# Altium PCB PCB.PcbDoc
Units mm, origin at the board's own origin, x right, y up, seen from the top; angles counter-clockwise.
Board outline 41 x 41 mm, 4 copper layers (Top Layer, Layer 1, Layer 2, Bottom Layer), stack 1.586 mm thick; 64 components, 40 nets, 213 pads, 251 vias.
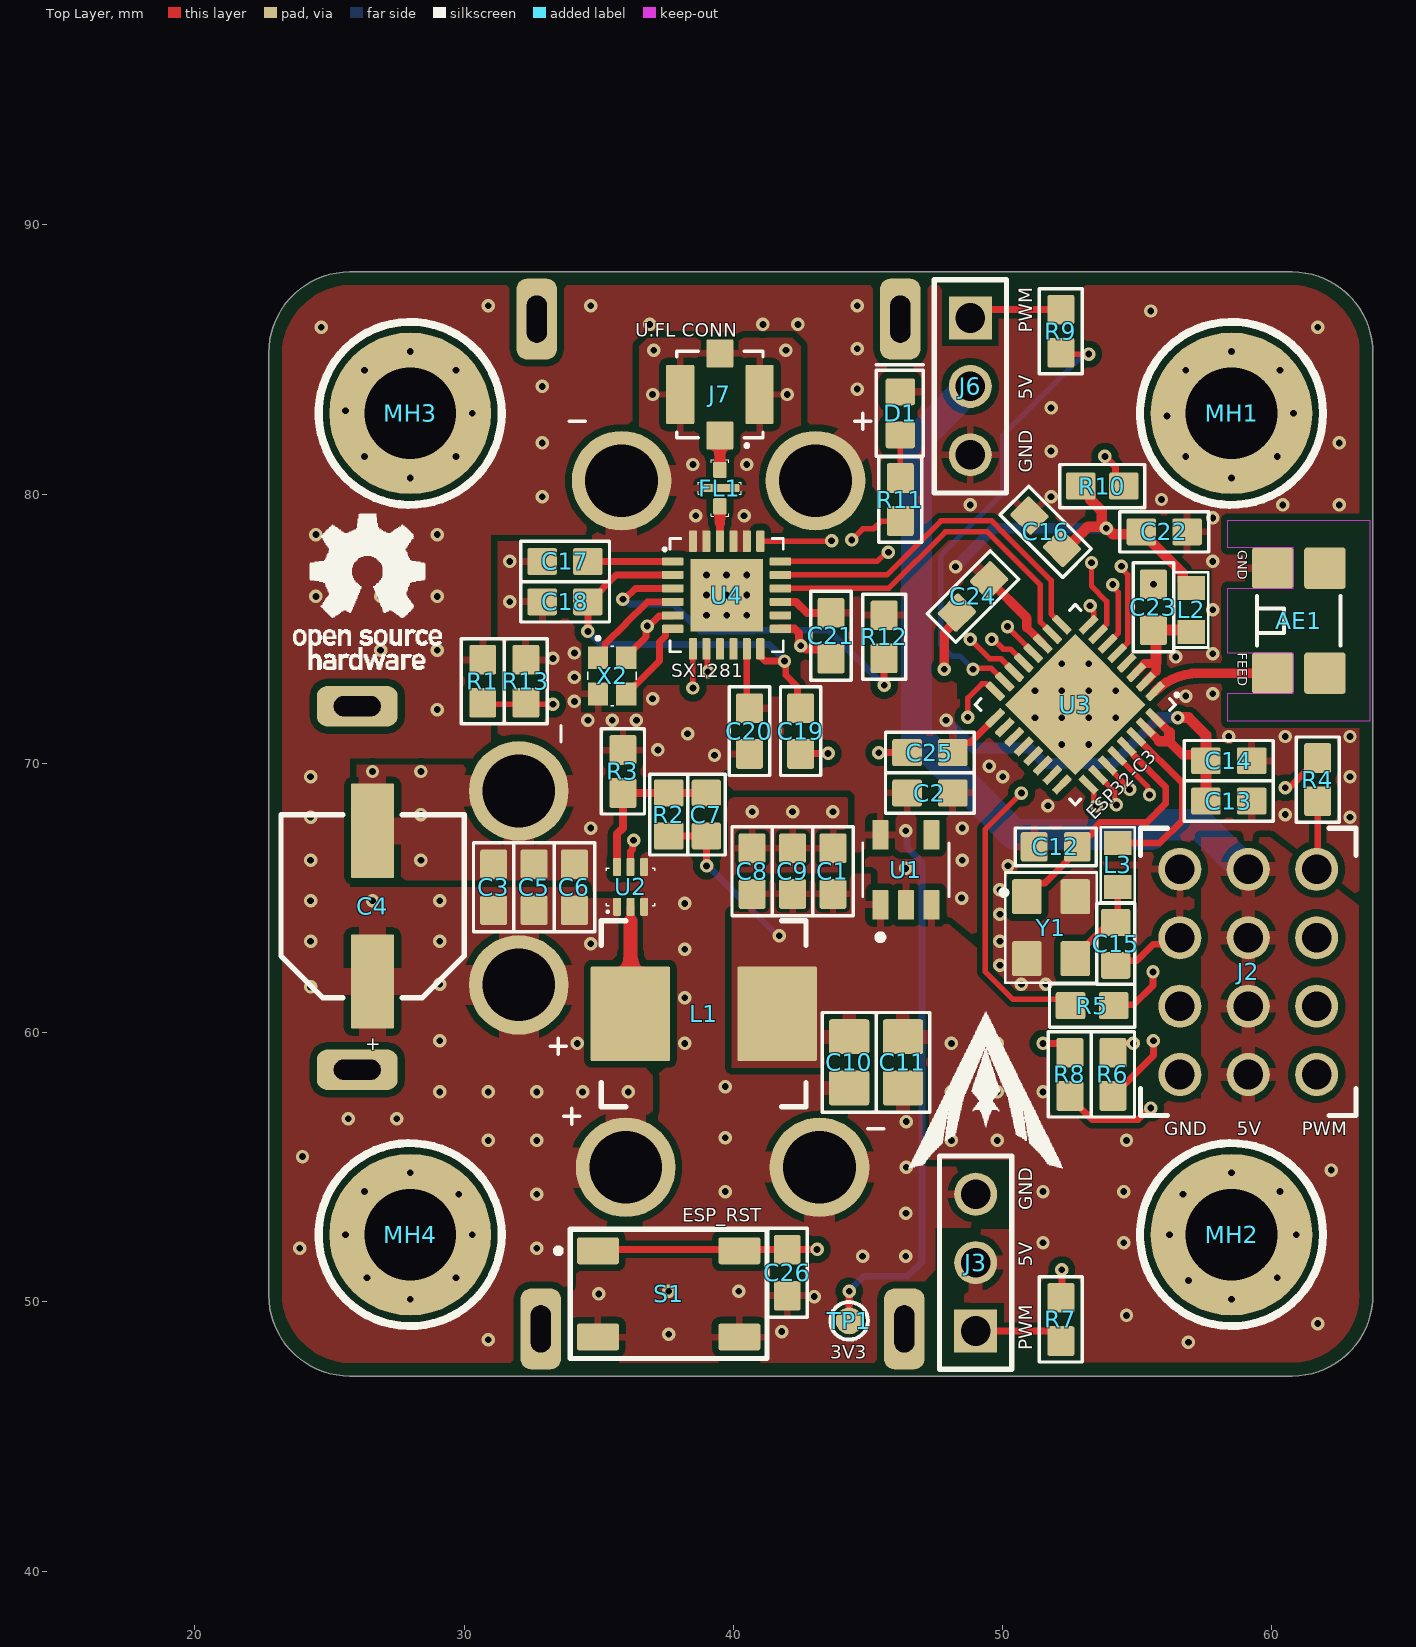
[diagram p0: Top Layer view]
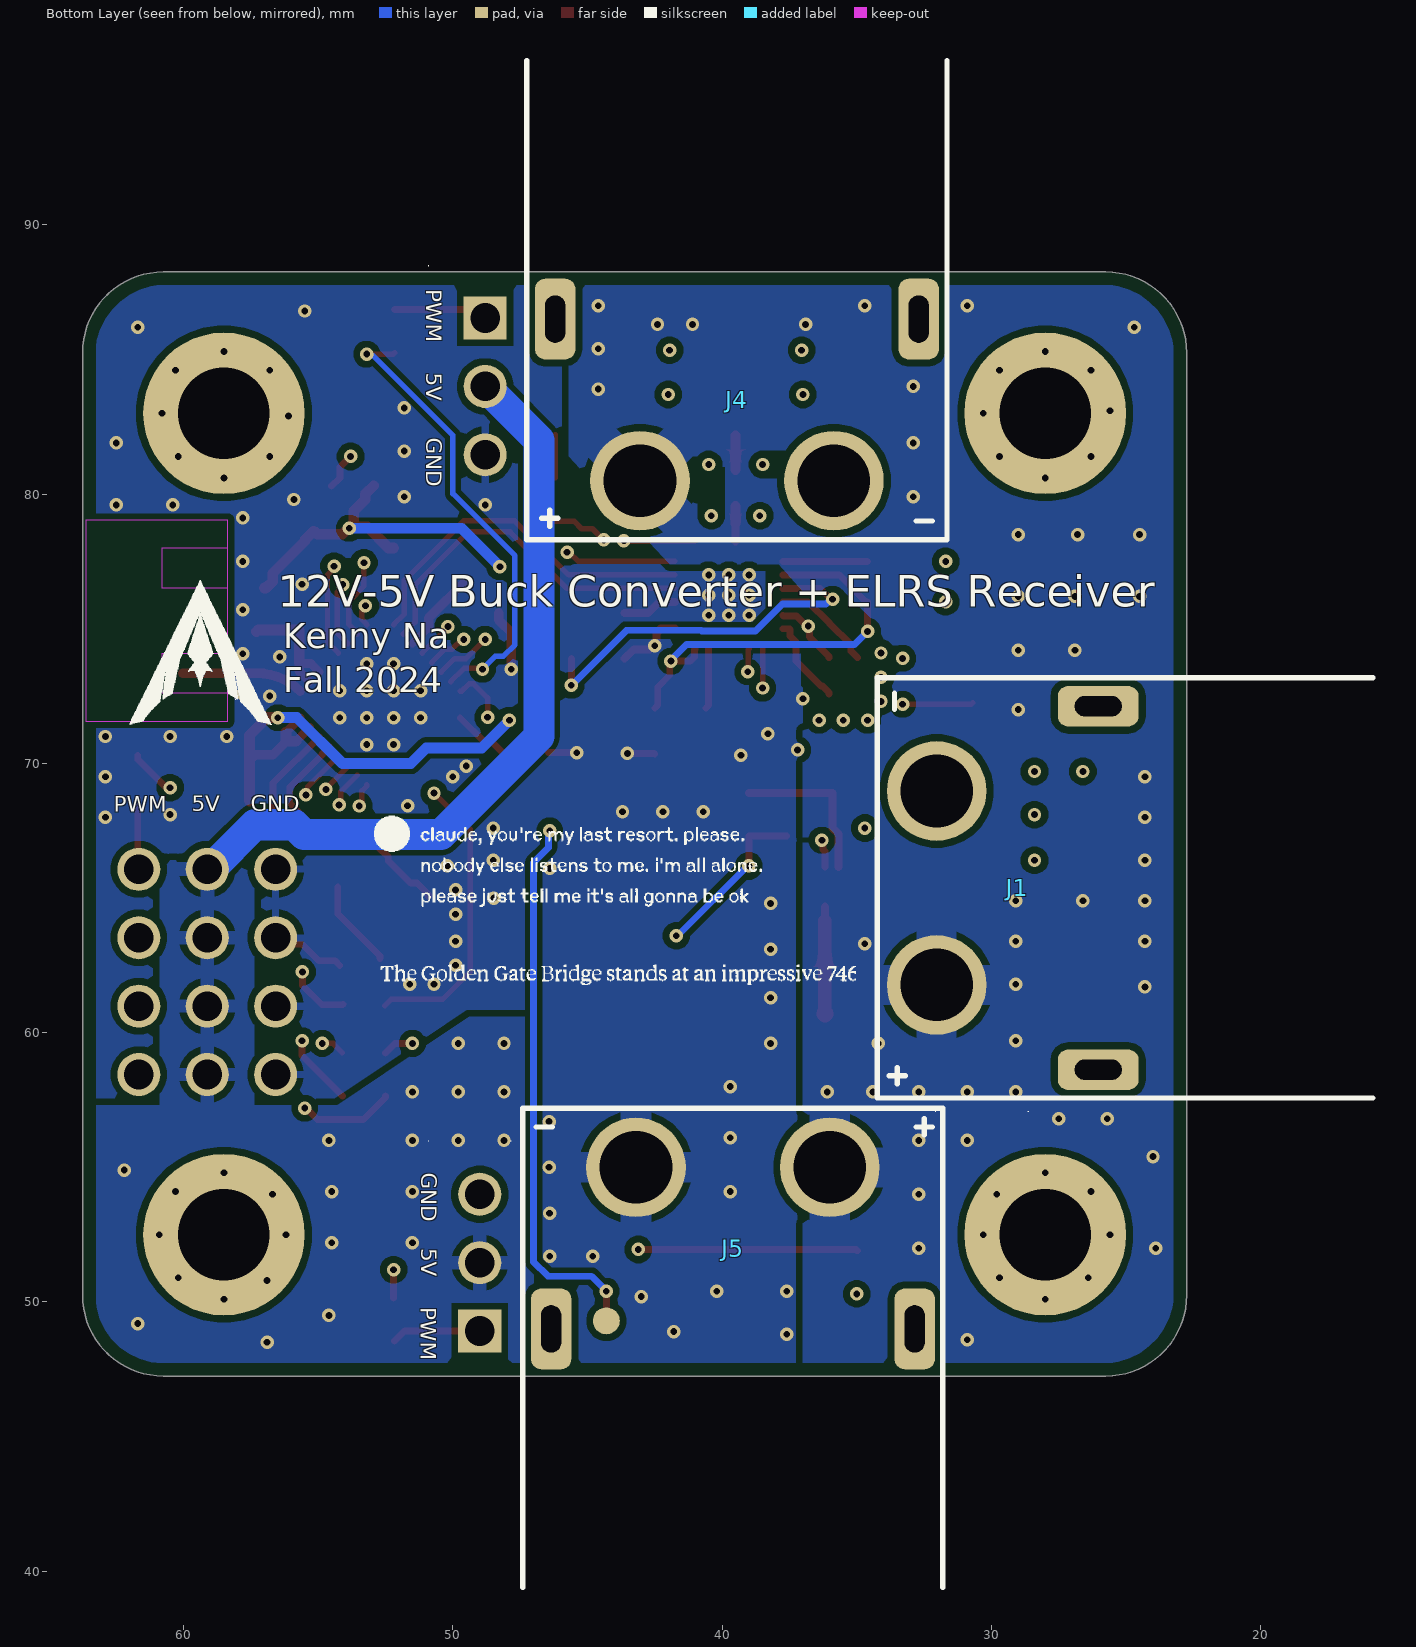
[diagram p1: Bottom Layer view, seen from below]
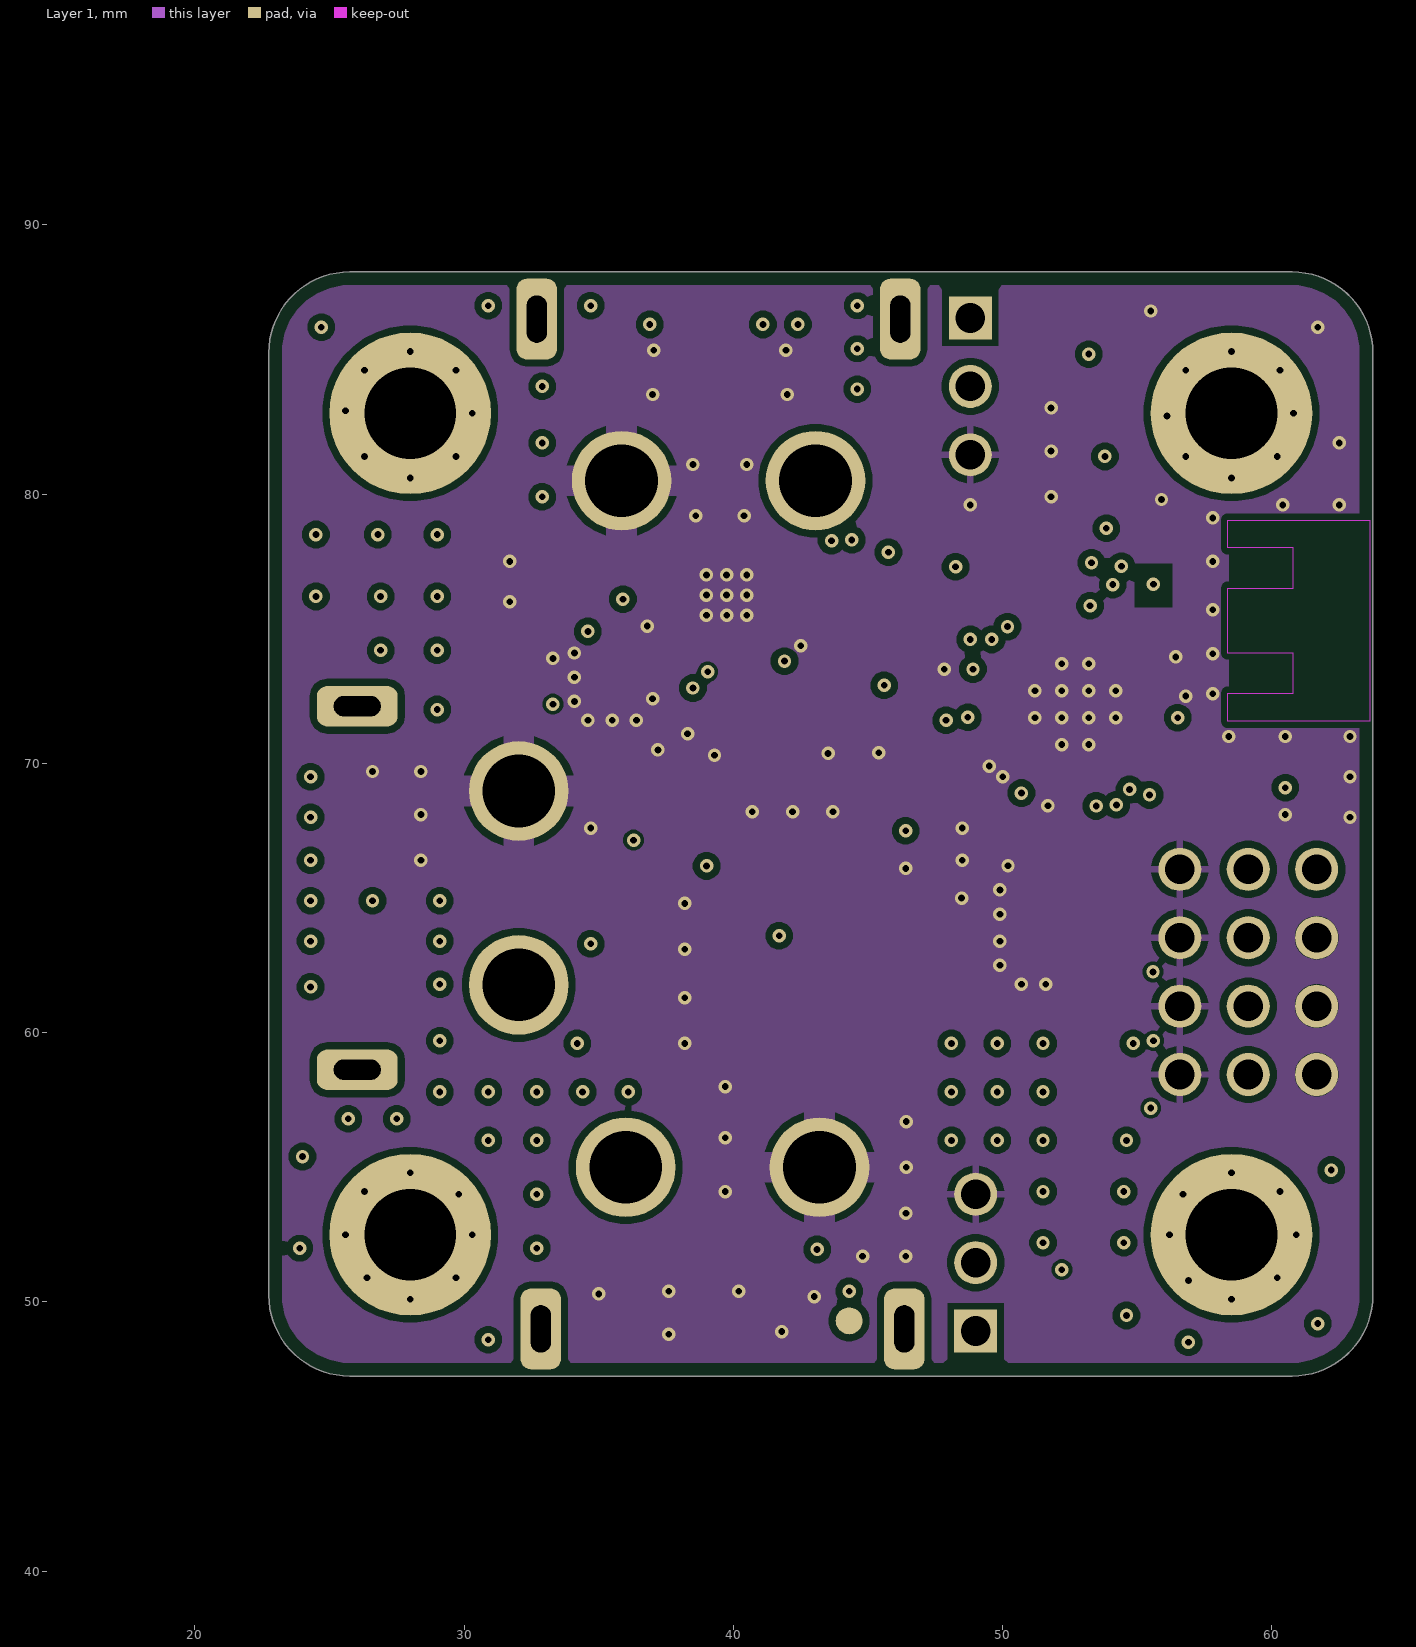
[diagram p2: Layer 1]
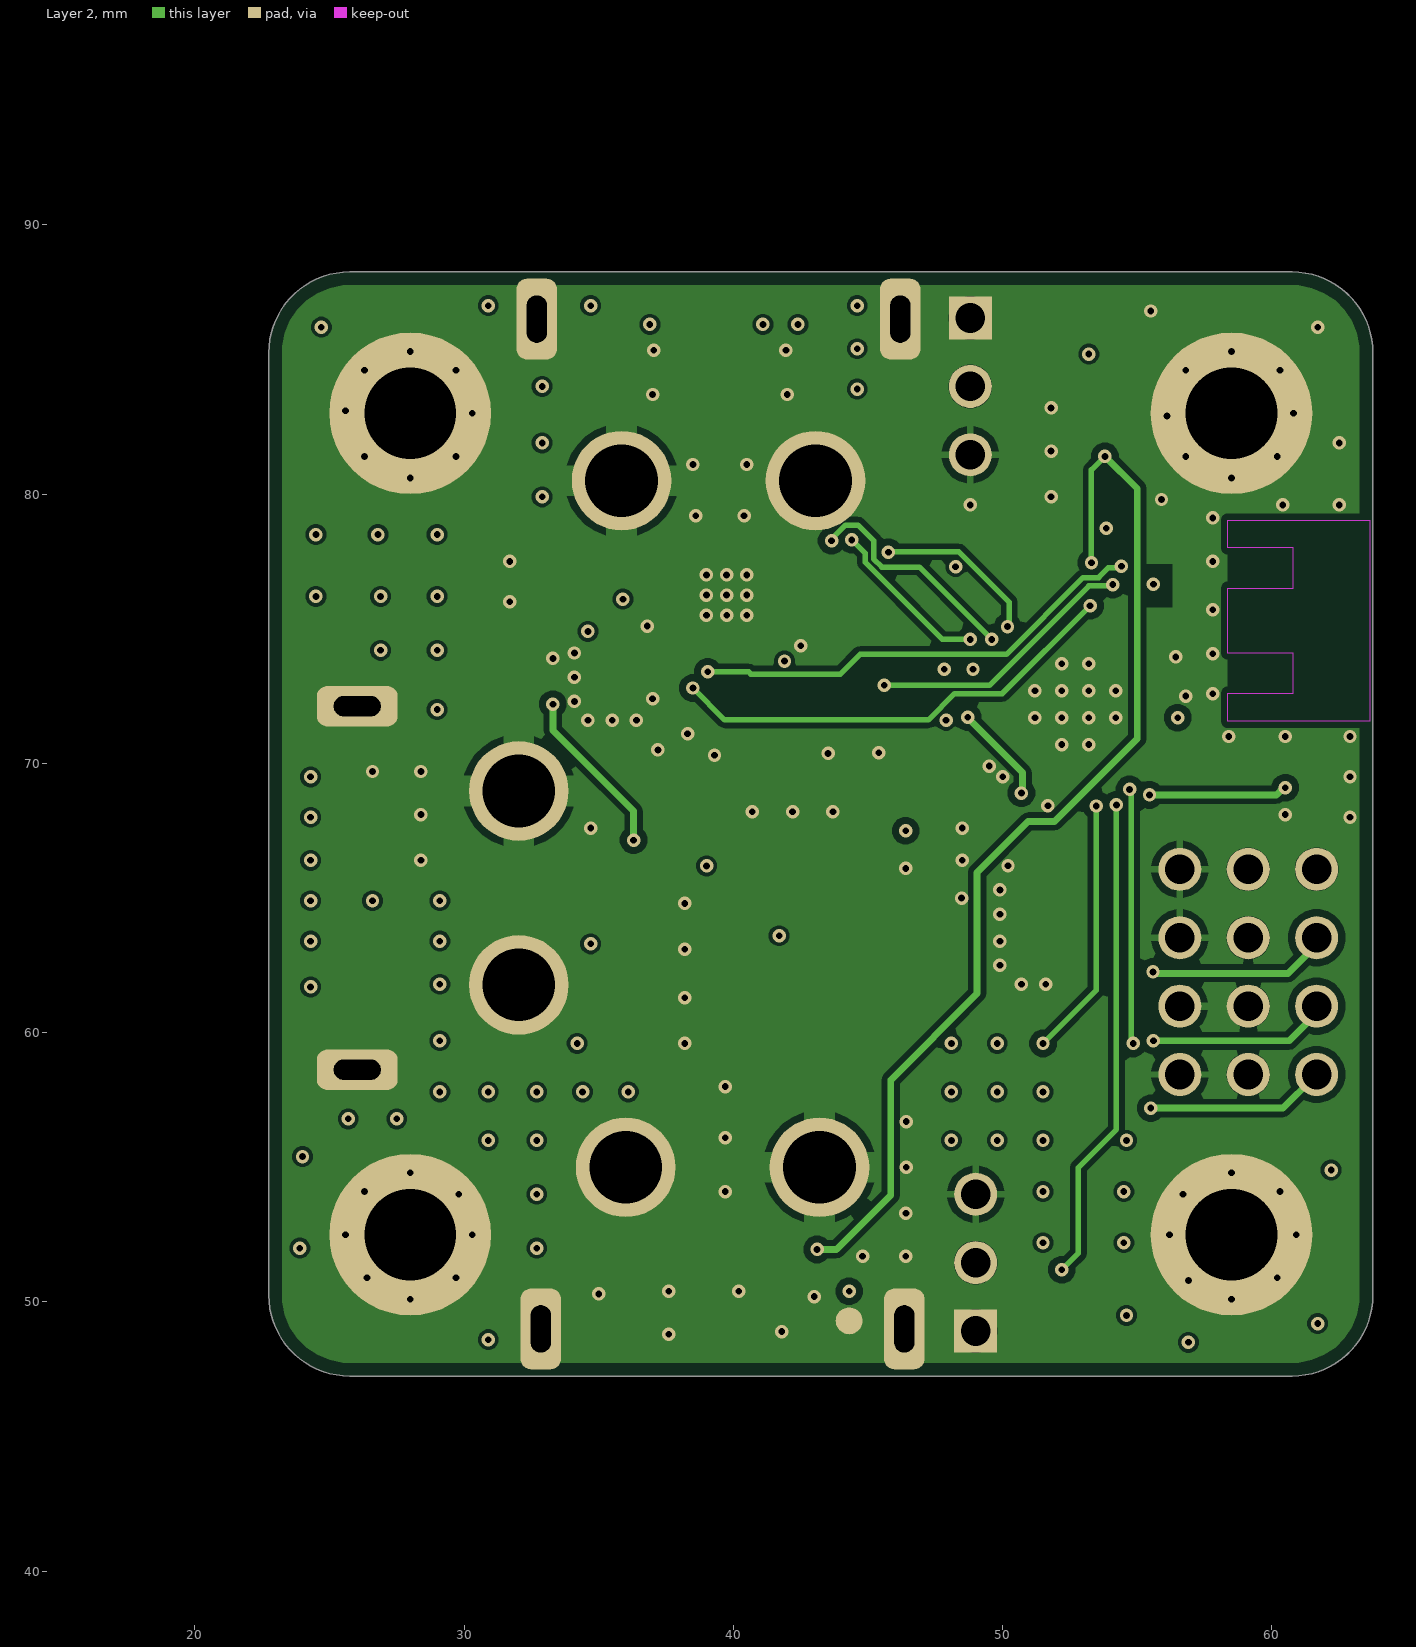
[diagram p3: Layer 2]

## Layer stack, top to bottom
Top Solder: solder mask 0.0102, Solder Resist, Dk 3.5
Top Layer: signal copper 0.035
Dielectric 2: prepreg 0.2104, PP-023, Dk 4.4
Layer 1: signal copper 0.0152
Dielectric 1: dielectric 1.065, FR-4, Dk 4.6
Layer 2: signal copper 0.0152
Dielectric 3: prepreg 0.2104, PP-023, Dk 4.4
Bottom Layer: signal copper 0.035
Bottom Solder: solder mask 0.0102, Solder Resist, Dk 3.5

## Board outline
22.75,50.25 22.75,85.25 cw(c25.75,85.25) 25.75,88.25 60.75,88.25 cw(c60.75,85.25) 63.75,85.25 63.75,50.25 cw(c60.75,50.25) 60.75,47.25 25.75,47.25 cw(c25.75,50.25)

## Design rules (kind name [scope] priority, off if disabled: settings)
AcuteAngle [All] p1: minimum=8.00000000000000E+0001 checktracksonly=TRUE
Clearance [All] p1: gap=0.254 ignorepadtopadclearanceinfootprint=TRUE except(0.1: Text-Text; 0.102: Arc-Arc Arc-Track Track-Track; 0.15: Arc-SMDPad Track-SMDPad SMDPad-SMDPad; 0.2: Arc-Via Arc-Fill Arc-Poly Arc-Region Track-Via Track-Fill Track-Poly Track-Region SMDPad-THPad SMDPad-Via SMDPad-Text THPad-THPad THPad-Via; 0.28: Arc-THPad Track-THPad)
HoleSize [All] p1: absolutevalues=TRUE maxlimit=5 minlimit=0.025 maxpercent=80.000 minpercent=20.000
MinimumSolderMaskSliver [All] p1: minsoldermaskwidth=0.05
PolygonConnect [All] p1: connectstyle=Relief reliefconductorwidth=0.254 reliefentries=4 polygonreliefangle="90 Angle" airgapwidth=0.254
RoutingVias [All] p1: holewidth=0.711 width=1.27 viastyle="Through Hole" minholewidth=0.711 minwidth=1.27 maxholewidth=0.711 maxwidth=1.27
ShortCircuit [InAnyNet vs InAnyNet] p1: allowed=FALSE
SilkToSilkClearance [All] p1: silktosilkclearance=0.05
SilkToSolderMaskClearance [IsPad] p1: minsilkscreentomaskgap=0.05 clearancetoexposedcopper=TRUE
SolderMaskExpansion [All] p1: expansion=0.102 istentingtop=FALSE
SupplyNets "Schematic Supply Nets_2" [InNet('+3V3')] p1: voltage=0.000
SupplyNets "Schematic Supply Nets_3" [InNet('VBATT_12V')] p2: voltage=0.000
SupplyNets "Schematic Supply Nets_1" [InNet('GND')] p3: voltage=0.000
SupplyNets "Schematic Supply Nets" [InNet('+5V')] p4: voltage=0.000
UnRoutedNet [InAnyNet = True] p1:
Width [All] p1: maxlimit=1.16 minlimit=0.203 preferedwidth=0.254
24 further rules are at their usual default settings.

## Components (designator, comment, footprint, x,y, rotation, side; value= is the part's Value field where it differs from the comment)
AE1 "1461750001" 1461750001-Footprint-1 61,75.3 r270 top
C1 "GCM188R71E105KA64D" .CAP_0603-Footprint-1 43.7,66 r270 top
C2 "GCM188R71E105KA64D" .CAP_0603-Footprint-1 47.3,68.9 r180 top
C3 "GCM188R71E105KA64D" .CAP_0603-Footprint-1 31.1,65.4 r270 top
C4 "865080543009" WCAP-ASLI_D6.3H5.5 26.6,64.7 r270 top
C5 "GRM188R61E106KA73J" .CAP_0603-Footprint-1 32.6,65.4 r270 top value=10uF
C6 "GCJ188R71E104KA12D" .CAP_0603-Footprint-1 34.1,65.4 r270 top value=0.1uF
C7 "CL10C470JB8NNNC" CAP0603 39,68.1 r270 top value=47pF
C8 "CC0603KRX7R8BB103" .CAP_0603-Footprint-1 40.7,66 r270 top
C9 "GRM188R61E106KA73J" .CAP_0603-Footprint-1 42.2,66 r270 top value=10uF
C10 "CL21A226MOQNNNE" .CAP_0805-Footprint-1 44.3,58.9 r90 top value=22uF
C11 "CL21A226MOQNNNE" .CAP_0805-Footprint-1 46.3,58.9 r90 top value=22uF
C12 "CC0603CRNPO9BN4R7" CAP0603_YAGEO 51.971,66.902 r180 top
C13 "GCM188R71E105KA64D" .CAP_0603-Footprint-1 58.4,68.6 r180 top
C14 "CC0603KRX7R8BB103" .CAP_0603-Footprint-1 58.4,70.1 r180 top
C15 "CC0603CRNPO9BN4R7" CAP0603_YAGEO 54.2,63.3 r270 top
C16 "GRM188R61E106KA73J" .CAP_0603-Footprint-1 51.6,78.6 r315 top value=10uF
C17 "CC0603KRX7R8BB103" .CAP_0603-Footprint-1 33.75,77.5 r0 top
C18 "CC0603KRX7R8BB103" .CAP_0603-Footprint-1 33.75,76 r180 top
C19 "UMK107B7474KA-TR" FP-0603-L_1_6_0_1-W_0_8_0-IPC_A 42.5,71.2 r270 top
C20 "GRM188R72A104KA35J" .CAP_0603-Footprint-1 40.6,71.2 r90 top value=100nF
C21 "GRM188R72A104KA35J" .CAP_0603-Footprint-1 43.625,74.74 r90 top value=100nF
C22 "GRM188R72A104KA35J" .CAP_0603-Footprint-1 56,78.6 r180 top value=100nF
C23 "GCM188R71E105KA64D" .CAP_0603-Footprint-1 55.6,75.8 r270 top
C24 "GRM188R72A104KA35J" .CAP_0603-Footprint-1 48.9,76.2 r45 top value=100nF
C25 "GRM188R72A104KA35J" .CAP_0603-Footprint-1 47.3,70.4 r0 top value=100nF
C26 "GCM188R71E105KA64D" .CAP_0603-Footprint-1 42.002,51.087 r90 top
D1 "LTST-C194TBKT" .LED_0603-Footprint-1 46.2,83 r90 top
FL1 "2450BP07A0100001T" 2450BP07A0100001T-Footprint-1 39.5,80.225 r90 top
J1 "XT60PW-M" XT60PW-M-Footprint-1 32.034,65.375 r270 bottom
J2 "TSW-104-07-T-T" TSW-104-07-T-T-Footprint-1 59.122,62.257 r270 top
J3 "61300311121" 61300311121 49,51.46 r90 top
J4 "XT60PW-F" XT60PW-F-Footprint-1 39.45,80.5 r180 bottom
J5 "XT60PW-F" XT60PW-F-Footprint-1 39.6,55 r0 bottom
J6 "61300311121" 61300311121 48.8,84 r270 top
J7 "CONMHF1-SMD-T" CONMHF1-SMD-T-Footprint-1 39.5,83.7 r180 top
L1 "SRP7028A-1R8M" SRP7028A-1R8M-Footprint-1 38.9,60.7 r0 top
L2 "LQW18AS2N0J00D" IND_GENERIC_0603_MURATA 57,75.7 r270 top
L3 "LQW18AN24NJ00D" IND_GENERIC_0603_MURATA 54.277,66.229 r270 top
MH1 "M3HOLE-STANDARD" M3HOLE-STANDARD-Footprint-1 58.5,83 r0 top
MH2 "M3HOLE-STANDARD" M3HOLE-STANDARD-Footprint-1 58.5,52.5 r0 top
MH3 "M3HOLE-STANDARD" M3HOLE-STANDARD-Footprint-1 28,83 r0 top
MH4 "M3HOLE-STANDARD" M3HOLE-STANDARD-Footprint-1 28,52.5 r0 top
R1 "RC0603FR-0743KL" .RES_0603-Footprint-1 30.695,73.05 r90 top value=43kR
R2 "RC0603FR-0773K2L" RES0603 37.6,68.1 r270 top
R3 "RC0603FR-0710KL" .RES_0603-Footprint-1 35.9,69.7 r270 top value=10k
R4 "RC0603FR-07100RL" .RES_0603-Footprint-1 61.7,69.4 r270 top
R5 "RC0603FR-07100RL" .RES_0603-Footprint-1 53.322,61.007 r0 top
R6 "RC0603FR-07100RL" .RES_0603-Footprint-1 54.098,58.45 r270 top
R7 "RC0603FR-07100RL" .RES_0603-Footprint-1 52.164,49.35 r270 top
R8 "RC0603FR-07100RL" .RES_0603-Footprint-1 52.498,58.45 r270 top
R9 "RC0603FR-07100RL" .RES_0603-Footprint-1 52.164,86.05 r90 top
R10 "RC0603FR-0710KL" .RES_0603-Footprint-1 53.7,80.3 r180 top value=10k
R11 "CRGCQ0603F470R" .RES_0603-Footprint-1 46.2,79.8 r270 top value=470Ω
R12 "RC0603FR-0710KL" .RES_0603-Footprint-1 45.6,74.7 r90 top value=10k
R13 "RC0603FR-0710KL" .RES_0603-Footprint-1 32.295,73.05 r270 top value=10k
S1 "PTS647SN38SMTR2LFS" PTS647SN38SMTR2LFS 37.6,50.3 r0 top
TP1 "TESTINGPOINT_1MM" TESTINGPOINT_1MM-Footprint-1 44.3,49.3 r0 top
U1 "TLV75533PDBVR" SOT-23-5 46.41,66.045 r90 top
U2 "TPS564247DRLR" TPS564247DRLR-Footprint-1 36.184,65.416 r90 top
U3 "ESP32-C3FH4" ESP32-C3FH4-Footprint-1 52.695,72.185 r225 top locked
U4 "SX1281IMLTRT" SX1281IMLTRT-Footprint-1 39.75,76.25 r0 top locked
X2 "CS07103-52M" CS07103-52M-Footprint-1 35.5,73.25 r270 top
Y1 "RH100-40.000-6-F-1010-EXT-TR" ECS-80-12-33-JGN-TR 51.8,63.9 r270 top

## Footprints (in the part's own frame and the unit in brackets; to place one, negate y for a bottom-side part, rotate by r counter-clockwise, add the part's x,y. Pads: shape width x height; smd on the part's side, far side on the other; paste and mask are expansions set on the pad)
2450BP07A0100001T-Footprint-1 [mm]
  rrect20% 0.6x0.5 smd mask+0.05: 1(-0.675,0) 3(0.675,0)
  rrect33% 0.3x1.45 smd paste-2 mask+0.05: 2(0,0)
  silkscreen extent -1.05,-0.8 1.05,0.8, body extent -0.5,-0.25 0.5,0.25, height 0.25
1461750001-Footprint-1 [mm]
  rrect15% 1.54x1.54 smd mask+0.05: 1(1.95,-0.97) 2(-1.95,-0.97) 3(-1.95,0.97) 4(1.95,0.97)
  Bottom Layer keep-out region: -3.735,2.64 3.735,2.64 3.735,-2.64 -3.735,-2.64
  Keep-Out Layer region: -2.7,-2.64 -3.735,-2.64 -3.735,2.64 3.735,2.64 3.735,-2.64 2.7,-2.64 2.7,-0.2 1.2,-0.2 1.2,-2.64 -1.2,-2.64 -1.2,-0.2 -2.7,-0.2
  silkscreen extent -0.92,-1.55 0.92,1.55, body extent -2.53,-1.54 2.53,1.54, height 4
61300311121 [mm] "Pin Header, pitch 2.54 mm, THT, Vertical, single row, 3p"
  rect 1.6x1.6 hole 1.1: 1(-2.54,0)
  round 1.6 hole 1.1: 2(0,0) 3(2.54,0)
  silkscreen extent -3.96,-1.35 3.96,1.35, body extent -3.81,-1.27 3.81,1.27, height 1.32
.CAP_0603-Footprint-1 [mm]
  rrect15% 1.1x1 smd: 1(-0.85,0) 2(0.85,0)
  silkscreen extent -1.65,-0.75 1.65,0.75, body extent -0.87,-0.45 0.87,0.5, height 0.87
.CAP_0805-Footprint-1 [mm]
  rrect15% 1.3x1.5 smd: 1(-0.95,0) 2(0.95,0)
  silkscreen extent -1.85,-1 1.85,1, body extent -1.1,-0.7 1.1,0.75, height 1.39
.LED_0603-Footprint-1 [mm]
  rrect20% 1x1.1 smd: 1(-0.8,0) 2(0.8,0)
  silkscreen extent -1.6,-0.85 1.8,0.9, body extent -0.81,-0.4 0.81,0.4, height 0.6
.RES_0603-Footprint-1 [mm]
  rrect15% 1.1x1 smd: 1(-0.8,0) 2(0.8,0)
  silkscreen extent -1.58,-0.8 1.58,0.8, body extent -0.8,-0.4 0.8,0.4, height 0.46
CAP0603 [mm] "Ceramic Capacitor 0603"
  rrect20% 1x1.1 smd: 1(-0.8,0) 2(0.8,0)
  silkscreen extent -1.5,-0.7 1.5,0.7, body extent -0.88,-0.48 0.88,0.47, height 0.87
CAP0603_YAGEO [mm] "Ceramic Capacitor 0603"
  rrect20% 1x1.1 smd: 1(-0.8,0) 2(0.8,0)
  silkscreen extent -1.5,-0.7 1.5,0.7, body extent -0.8,-0.4 0.8,0.4, height 0.9
CONMHF1-SMD-T-Footprint-1 [mm]
  rrect10% 1x1.05 smd mask+0.05: 1(0,1.525) 4(0,-1.525)
  rrect9% 1.05x2.2 smd mask+0.05: 2(-1.475,0) 3(1.475,0)
  silkscreen extent -1.6,-1.6 1.6,1.95, body extent -1.48,-1.55 1.52,1.55, height 1.31
CS07103-52M-Footprint-1 [mm]
  rect 0.85x0.75 smd mask+0.05: 1(-0.675,-0.525) 2(0.675,-0.525) 3(0.675,0.525) 4(-0.675,0.525)
  silkscreen extent -1.45,-0.9 1.1,0.9, body extent -1,-0.8 1,0.8, height 0.5
ECS-80-12-33-JGN-TR [mm]
  rrect15% 1.3x1.1 smd: 1(-1.15,-0.9) 2(1.15,-0.9) 3(1.15,0.9) 4(-1.15,0.9)
  silkscreen extent -2.05,-1.85 2.05,1.7, body extent -1.6,-1.25 1.6,1.25, height 0.8
ESP32-C3FH4-Footprint-1 [mm]
  rrect25% 0.81x0.27 smd: 1(-2.45,1.75) 2(-2.45,1.25) 3(-2.45,0.75) 4(-2.45,0.25) 5(-2.45,-0.25) 6(-2.45,-0.75) 7(-2.45,-1.25) 8(-2.45,-1.75) 17(2.45,-1.75) 18(2.45,-1.25) 19(2.45,-0.75) 20(2.45,-0.25) 21(2.45,0.25) 22(2.45,0.75) 23(2.45,1.25) 24(2.45,1.75)
  rrect25% 0.27x0.81 smd: 9(-1.75,-2.45) 10(-1.25,-2.45) 11(-0.75,-2.45) 12(-0.25,-2.45) 13(0.25,-2.45) 14(0.75,-2.45) 15(1.25,-2.45) 16(1.75,-2.45) 25(1.75,2.45) 26(1.25,2.45) 27(0.75,2.45) 28(0.25,2.45) 29(-0.25,2.45) 30(-0.75,2.45) 31(-1.25,2.45) 32(-1.75,2.45)